# Altium PCB host_board.PcbDoc (part 4 of 7)
Units mm, origin at the board's own origin, x right, y up, seen from the top; angles counter-clockwise.
Board outline 87.1 x 62.94 mm, 4 copper layers (Top Layer, GND, Power, Bottom Layer), stack 1.59 mm thick; 217 components, 247 nets, 1076 pads, 563 vias.
Unrouted connection lines stored in the file: 56.
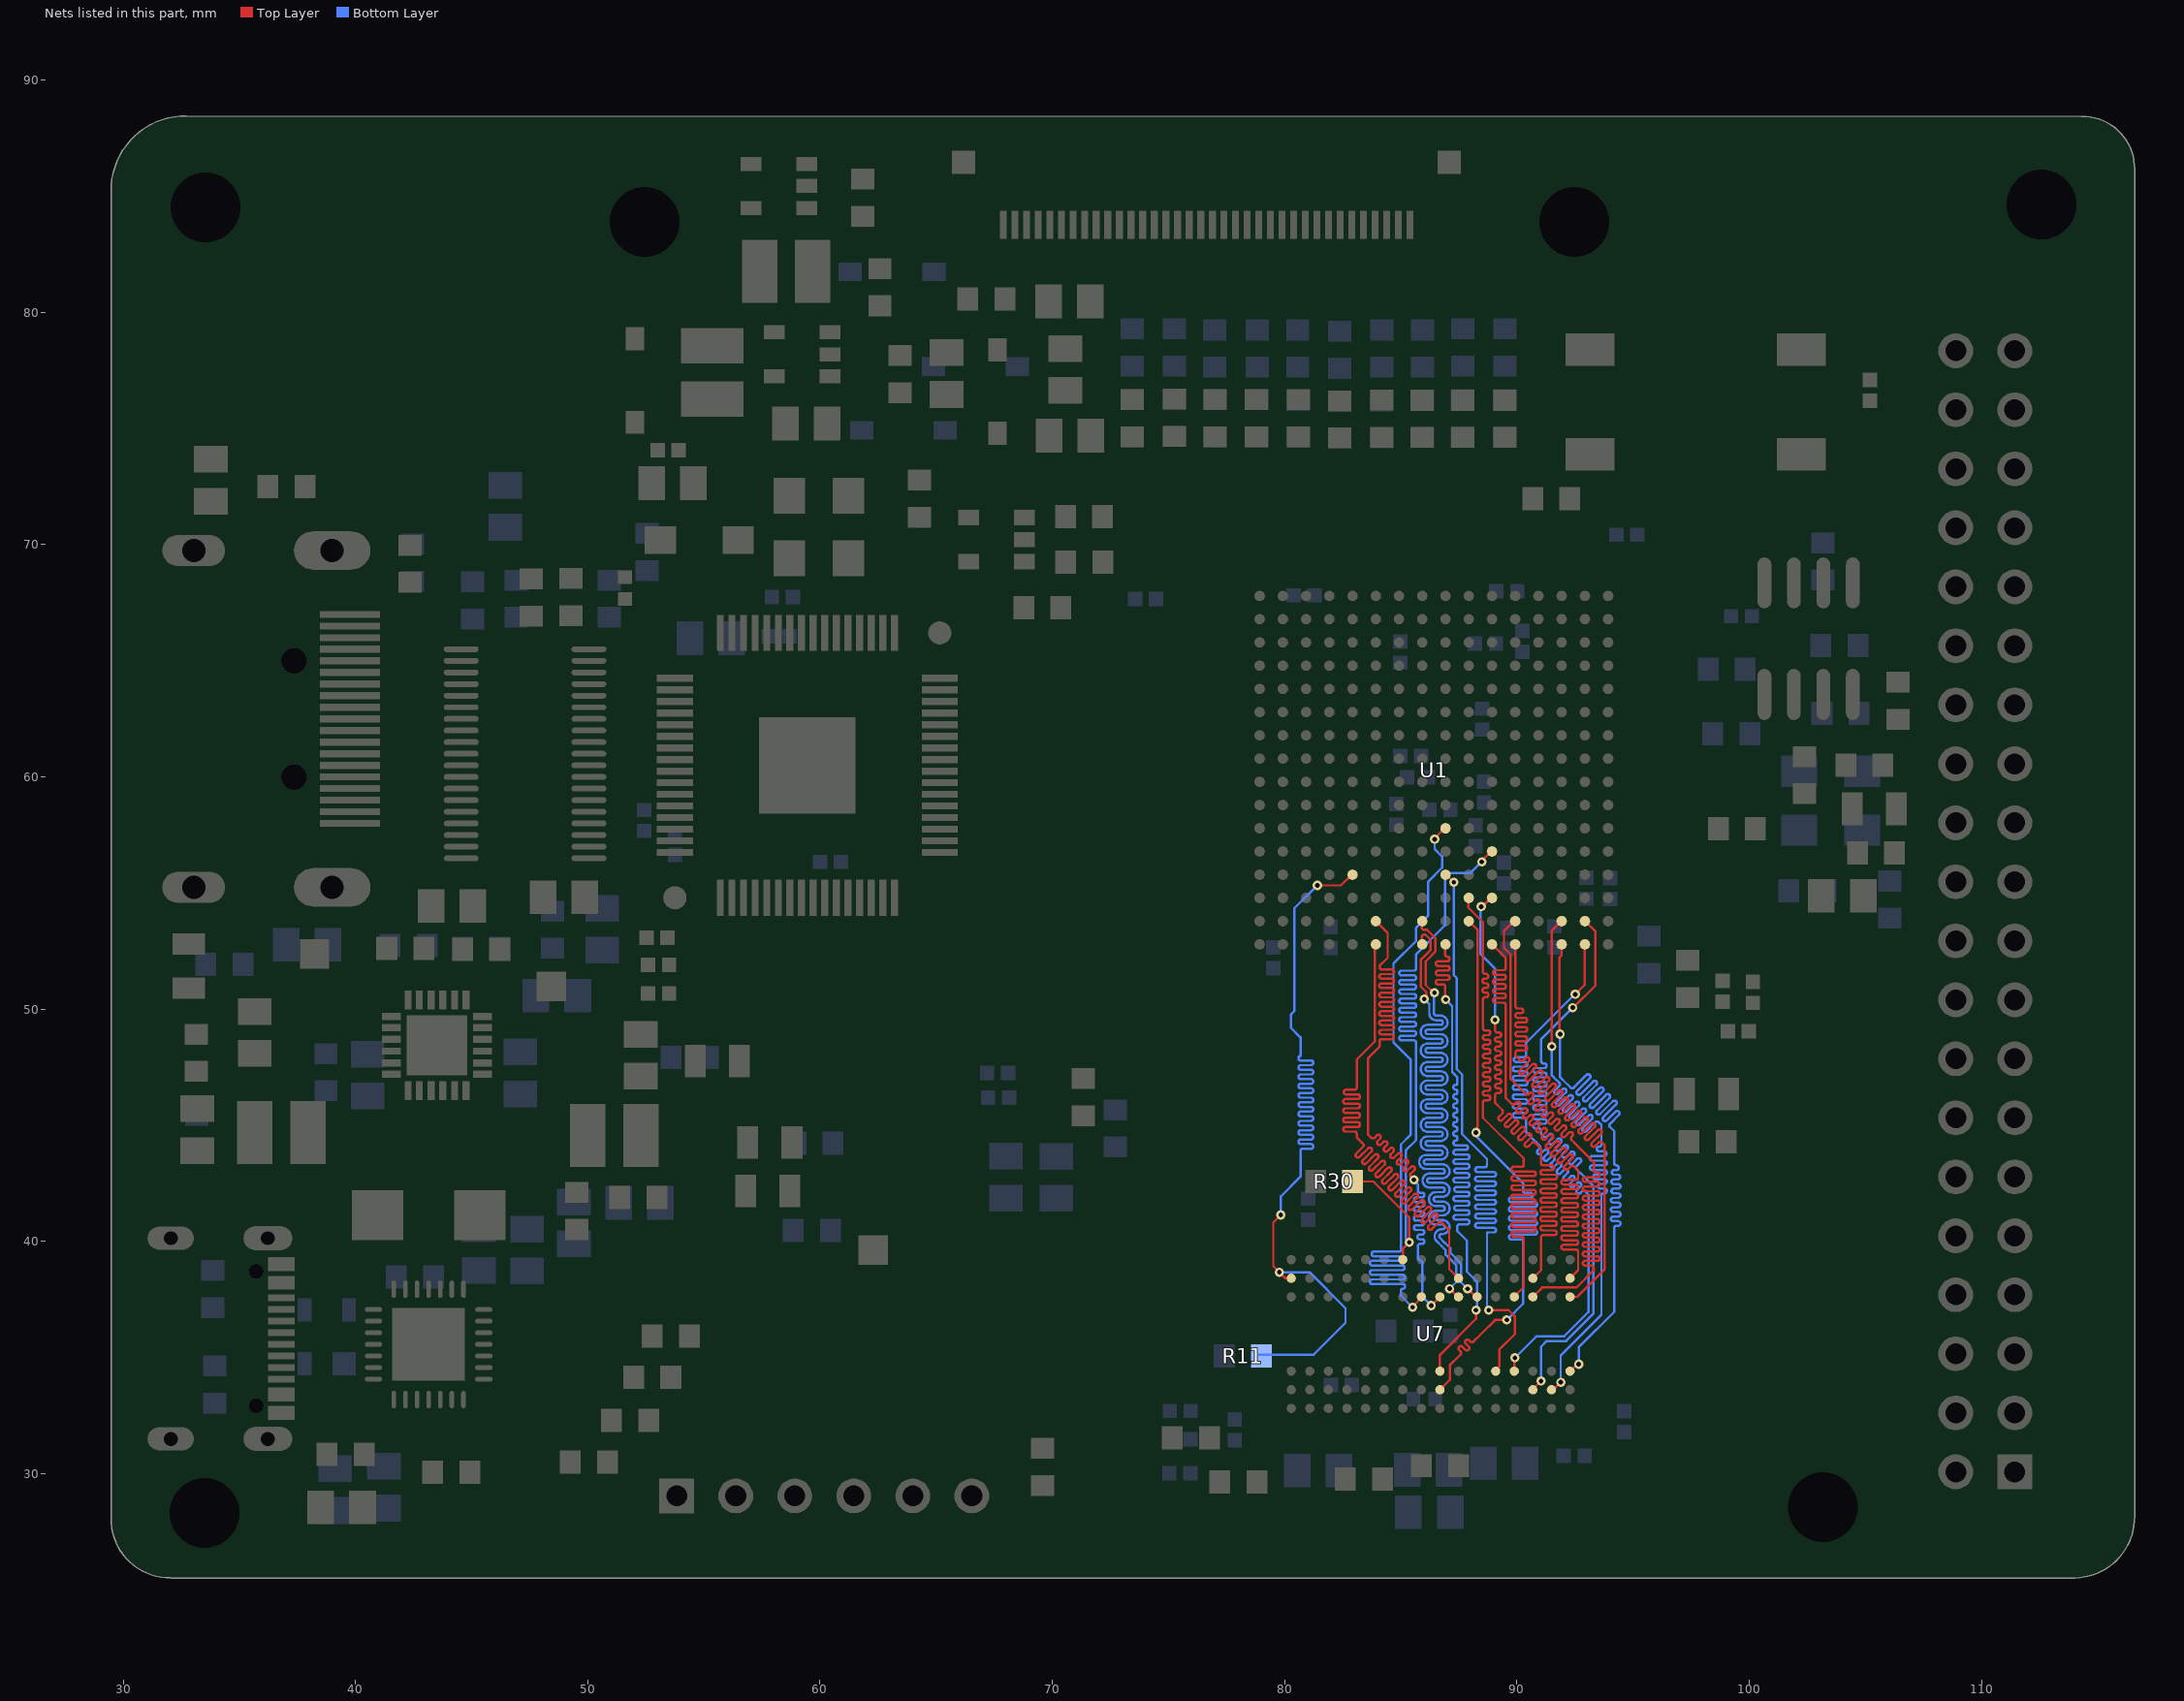
[diagram p6: the nets of this part, all layers, seen from the top]

## Via types
v1: diameter 0.4, hole 0.2, Top Layer to Bottom Layer, tented both sides, 485 vias
v2: diameter 0.4, hole 0.2, Top Layer to Bottom Layer, tented top, 61 vias
v3: diameter 0.5, hole 0.2, Top Layer to Bottom Layer, 9 vias
v4: diameter 0.4, hole 0.2, Top Layer to Bottom Layer, 8 vias

## Nets (pads, with @x,y where several pads share a name; then routed paths per layer and width w, separated by ;. In a path a pad name is that pad's centre, name@x,y a point inside that pad or via, vN(x,y) a via of type N, cw(c..) or ccw(c..) an arc to the next point about the centre after c; other vN are vias at no path point) (continued)
DDR_D4: U1.F2 U7.H3 | length 34.8
  Top Layer w0.1: U1.F2@83.93,53.795 84.43,53.295 84.43,52.215 84.08,51.865 84.08,51.815 ccw(c84.18,51.815) 84.18,51.715 84.605,51.715 cw(c84.605,51.615) 84.605,51.515 84.169,51.515 ccw(c84.169,51.415) 84.169,51.315 84.605,51.315 cw(c84.605,51.215) 84.605,51.115 84.169,51.115 ccw(c84.169,51.015) 84.169,50.915 84.605,50.915 cw(c84.605,50.815) 84.605,50.715 84.169,50.715 ccw(c84.169,50.615) 84.169,50.515 84.605,50.515 cw(c84.605,50.415) 84.605,50.315 84.169,50.315 ccw(c84.169,50.215) 84.169,50.115 84.605,50.115 cw(c84.605,50.015) 84.605,49.915 84.169,49.915 ccw(c84.169,49.815) 84.169,49.715 84.605,49.715 cw(c84.605,49.615) 84.605,49.515 84.169,49.515 ccw(c84.169,49.415) 84.169,49.315 84.605,49.315 cw(c84.605,49.215) 84.605,49.115 84.169,49.115 ccw(c84.169,49.015) 84.169,48.915 84.592,48.915 cw(c84.592,48.815) 84.592,48.715 84.18,48.715 ccw(c84.18,48.615) 84.08,48.615 84.08,48.42 84.08,48.385 83.58,47.885 83.58,45.007 83.58,44.907 83.58,44.707 83.58,44.612 83.651,44.541 83.721,44.471 ccw(c83.792,44.541) 83.863,44.471 83.965,44.573 cw(c84.035,44.502) 84.106,44.573 cw(c84.035,44.502) 84.106,44.431 84.004,44.329 ccw(c84.075,44.259) 84.004,44.188 ccw(c84.075,44.259) 84.146,44.188 84.248,44.29 cw(c84.318,44.219) 84.389,44.29 cw(c84.318,44.219) 84.389,44.148 84.287,44.046 ccw(c84.358,43.976) 84.287,43.905 ccw(c84.358,43.976) 84.429,43.905 84.53,44.007 cw(c84.601,43.936) 84.672,44.007 cw(c84.601,43.936) 84.672,43.865 84.57,43.764 ccw(c84.641,43.693) 84.57,43.622 ccw(c84.641,43.693) 84.711,43.622 84.867,43.778 cw(c84.937,43.707) 85.008,43.778 cw(c84.937,43.707) 85.008,43.636 84.853,43.481 ccw(c84.923,43.41) 84.853,43.339 ccw(c84.923,43.41) 84.994,43.339 85.15,43.495 cw(c85.22,43.424) 85.291,43.495 cw(c85.22,43.424) 85.291,43.353 85.136,43.198 ccw(c85.206,43.127) 85.136,43.057 ccw(c85.206,43.127) 85.277,43.057 85.432,43.212 cw(c85.503,43.141) 85.574,43.212 cw(c85.503,43.141) 85.574,43.07 85.418,42.915 ccw(c85.489,42.844) 85.418,42.774 85.439,42.753 85.532,42.66 v1(85.56,42.66) ; v2(86.305,37.245) U7.H3@86.68,37.62
  Bottom Layer w0.1: v1(85.56,42.66) 85.56,42.632 85.582,42.61 85.73,42.462 85.73,42.25 85.73,42.2 ccw(c85.83,42.2) 85.83,42.1 85.908,42.1 cw(c85.908,42) 85.908,41.9 85.658,41.9 ccw(c85.658,41.8) 85.658,41.7 85.908,41.7 cw(c85.908,41.6) 85.908,41.5 85.658,41.5 ccw(c85.658,41.4) 85.658,41.3 85.908,41.3 cw(c85.908,41.2) 85.908,41.1 85.658,41.1 ccw(c85.658,41) 85.658,40.9 85.908,40.9 cw(c85.908,40.8) 85.908,40.7 85.658,40.7 ccw(c85.658,40.6) 85.658,40.5 85.908,40.5 cw(c85.908,40.4) 85.908,40.3 85.808,40.3 ccw(c85.808,40.2) 85.808,40.1 85.908,40.1 cw(c85.908,40) 85.908,39.9 85.83,39.9 ccw(c85.83,39.8) 85.73,39.8 85.73,39.575 85.73,39.295 85.93,39.095 85.93,37.62 v2(86.305,37.245)
DDR_D5: U1.K2 U7.H8 | length 34.8
  Top Layer w0.1: U7.H8@86.68,33.62 87.105,34.045 87.105,34.675 87.527,35.097 87.562,35.132 ccw(c87.491,35.203) 87.562,35.274 87.506,35.329 cw(c87.577,35.4) 87.506,35.471 cw(c87.577,35.4) 87.648,35.471 87.775,35.344 ccw(c87.845,35.415) 87.916,35.344 ccw(c87.845,35.415) 87.916,35.486 87.789,35.612 cw(c87.86,35.683) 87.789,35.754 cw(c87.86,35.683) 87.931,35.754 87.986,35.698 ccw(c88.057,35.769) 88.128,35.698 88.425,35.995 88.455,36.025 89.056,36.626 v2(89.56,36.626) ; U1.K2@87.905,53.82 88.305,53.42 88.305,44.851 88.23,44.776 v1(88.23,44.695)
  Bottom Layer w0.1: v1(88.23,44.695) 88.23,44.545 90.255,42.52 90.255,42.22 90.255,42.195 ccw(c90.355,42.195) 90.355,42.095 90.578,42.095 cw(c90.578,41.995) 90.678,41.995 cw(c90.578,41.995) 90.578,41.895 90.255,41.895 89.748,41.895 ccw(c89.748,41.795) 89.648,41.795 ccw(c89.748,41.795) 89.748,41.695 90.255,41.695 90.762,41.695 cw(c90.762,41.595) 90.862,41.595 cw(c90.762,41.595) 90.762,41.495 90.255,41.495 89.748,41.495 ccw(c89.748,41.395) 89.648,41.395 ccw(c89.748,41.395) 89.748,41.295 90.255,41.295 90.762,41.295 cw(c90.762,41.195) 90.862,41.195 cw(c90.762,41.195) 90.762,41.095 90.255,41.095 89.748,41.095 ccw(c89.748,40.995) 89.648,40.995 ccw(c89.748,40.995) 89.748,40.895 90.255,40.895 90.762,40.895 cw(c90.762,40.795) 90.862,40.795 cw(c90.762,40.795) 90.762,40.695 90.255,40.695 89.748,40.695 ccw(c89.748,40.595) 89.648,40.595 ccw(c89.748,40.595) 89.748,40.495 90.255,40.495 90.762,40.495 cw(c90.762,40.395) 90.862,40.395 cw(c90.762,40.395) 90.762,40.295 90.255,40.295 89.748,40.295 ccw(c89.748,40.195) 89.648,40.195 ccw(c89.748,40.195) 89.748,40.095 90.155,40.095 cw(c90.155,39.995) 90.255,39.995 90.255,37.321 v2(89.56,36.626)
DDR_D6: U1.F1 U7.G2 | length 37.6
  Top Layer w0.1: U1.F1@83.92,52.793 83.869,52.742 83.869,48.602 83.1,47.833 83.1,46.85 83.1,46.636 cw(c83,46.636) 83,46.536 82.637,46.536 ccw(c82.637,46.436) 82.637,46.336 83.142,46.336 cw(c83.142,46.236) 83.142,46.136 82.618,46.136 ccw(c82.618,46.036) 82.618,45.936 83.142,45.936 cw(c83.142,45.836) 83.142,45.736 82.618,45.736 ccw(c82.618,45.636) 82.618,45.536 83.142,45.536 cw(c83.142,45.436) 83.142,45.336 82.618,45.336 ccw(c82.618,45.236) 82.618,45.136 83.142,45.136 cw(c83.142,45.036) 83.142,44.936 82.618,44.936 ccw(c82.618,44.836) 82.618,44.736 83,44.736 cw(c83,44.636) 83.1,44.636 83.1,44.586 83.1,44.543 83.1,44.487 83.368,44.219 cw(c83.297,44.148) 83.368,44.078 83.079,43.788 ccw(c83.149,43.718) 83.079,43.647 ccw(c83.149,43.718) 83.22,43.647 83.588,44.015 cw(c83.659,43.945) 83.73,44.015 cw(c83.659,43.945) 83.73,43.874 83.362,43.506 ccw(c83.432,43.435) 83.362,43.364 ccw(c83.432,43.435) 83.503,43.364 83.871,43.732 cw(c83.942,43.662) 84.013,43.732 cw(c83.942,43.662) 84.013,43.591 83.644,43.223 ccw(c83.715,43.152) 83.644,43.081 ccw(c83.715,43.152) 83.786,43.081 84.154,43.45 cw(c84.225,43.379) 84.296,43.45 cw(c84.225,43.379) 84.296,43.308 83.927,42.94 ccw(c83.998,42.869) 83.927,42.798 ccw(c83.998,42.869) 84.069,42.798 84.437,43.167 cw(c84.508,43.096) 84.578,43.167 cw(c84.508,43.096) 84.578,43.025 84.21,42.657 ccw(c84.281,42.586) 84.21,42.516 ccw(c84.281,42.586) 84.352,42.516 84.72,42.884 cw(c84.791,42.813) 84.861,42.884 cw(c84.791,42.813) 84.861,42.742 84.493,42.374 ccw(c84.564,42.303) 84.493,42.233 ccw(c84.564,42.303) 84.634,42.233 85.003,42.601 cw(c85.073,42.53) 85.144,42.601 cw(c85.073,42.53) 85.144,42.46 84.776,42.091 ccw(c84.847,42.021) 84.776,41.95 ccw(c84.847,42.021) 84.917,41.95 85.275,42.308 cw(c85.346,42.237) 85.417,42.308 cw(c85.346,42.237) 85.417,42.167 85.059,41.809 ccw(c85.129,41.738) 85.059,41.667 ccw(c85.129,41.738) 85.2,41.667 85.568,42.035 cw(c85.639,41.965) 85.71,42.035 cw(c85.639,41.965) 85.71,41.894 85.341,41.526 ccw(c85.412,41.455) 85.341,41.384 ccw(c85.412,41.455) 85.483,41.384 85.851,41.753 cw(c85.922,41.682) 85.993,41.753 cw(c85.922,41.682) 85.993,41.611 85.624,41.243 ccw(c85.695,41.172) 85.624,41.101 ccw(c85.695,41.172) 85.766,41.101 86.134,41.47 cw(c86.205,41.399) 86.275,41.47 cw(c86.205,41.399) 86.275,41.328 85.907,40.96 ccw(c85.978,40.889) 85.907,40.819 ccw(c85.978,40.889) 86.049,40.819 86.417,41.187 cw(c86.488,41.116) 86.558,41.187 cw(c86.488,41.116) 86.558,41.045 86.19,40.677 ccw(c86.261,40.606) 86.19,40.536 ccw(c86.261,40.606) 86.331,40.536 ; 86.331,40.536 86.621,40.825 cw(c86.691,40.754) 86.762,40.825 86.797,40.79 87.081,40.506 87.081,38.819 U7.G2@87.48,38.42
DDR_D7: U1.J1 U7.H7 | length 34.3
  Top Layer w0.1: U7.H7@86.68,34.42 86.68,35.12 88.233,36.673 v2(88.233,37.045) ; v1@86.905,50.395 86.905,50.995 ccw(c86.835,50.995) 86.835,51.065 86.598,51.065 cw(c86.598,51.165) 86.498,51.165 cw(c86.598,51.165) 86.598,51.265 86.905,51.265 86.996,51.265 ccw(c86.996,51.365) 87.096,51.365 ccw(c86.996,51.365) 86.996,51.465 86.905,51.465 86.598,51.465 cw(c86.598,51.565) 86.498,51.565 cw(c86.598,51.565) 86.598,51.665 86.905,51.665 86.996,51.665 ccw(c86.996,51.765) 87.096,51.765 ccw(c86.996,51.765) 86.996,51.865 86.905,51.865 86.598,51.865 cw(c86.598,51.965) 86.498,51.965 cw(c86.598,51.965) 86.598,52.065 86.905,52.065 86.996,52.065 ccw(c86.996,52.165) 87.096,52.165 ccw(c86.996,52.165) 86.996,52.265 cw(c86.996,52.356) 86.905,52.356 86.905,52.365 U1.J1@86.905,52.82
  Bottom Layer w0.1: v1(86.93,50.42) 87.205,50.145 87.205,47.295 87.43,47.07 87.43,46.795 cw(c87.38,46.795) 87.38,46.745 87.355,46.745 ccw(c87.355,46.645) 87.255,46.645 ccw(c87.355,46.645) 87.355,46.545 cw(c87.355,46.47) 87.43,46.47 87.43,46.42 cw(c87.355,46.42) 87.355,46.345 ccw(c87.355,46.245) 87.255,46.245 ccw(c87.355,46.245) 87.355,46.145 cw(c87.355,46.07) 87.43,46.07 87.43,46.02 cw(c87.355,46.02) 87.355,45.945 ccw(c87.355,45.845) 87.255,45.845 ccw(c87.355,45.845) 87.355,45.745 cw(c87.355,45.67) 87.43,45.67 87.43,45.62 cw(c87.355,45.62) 87.355,45.545 ccw(c87.355,45.445) 87.255,45.445 ccw(c87.355,45.445) 87.355,45.345 cw(c87.355,45.27) 87.43,45.27 87.43,45.22 cw(c87.355,45.22) 87.355,45.145 ccw(c87.355,45.045) 87.255,45.045 ccw(c87.355,45.045) 87.355,44.945 cw(c87.355,44.87) 87.43,44.87 87.43,44.82 cw(c87.355,44.82) 87.355,44.745 ccw(c87.355,44.645) 87.255,44.645 ccw(c87.355,44.645) 87.355,44.545 cw(c87.355,44.47) 87.43,44.47 87.43,44.42 cw(c87.355,44.42) 87.355,44.345 ; 87.357,44.345 87.361,44.345 ; 87.363,44.345 ccw(c87.363,44.245) 87.263,44.245 ccw(c87.363,44.245) 87.363,44.145 87.43,44.145 87.785,44.145 cw(c87.785,44.045) 87.885,44.045 cw(c87.785,44.045) 87.785,43.945 87.43,43.945 87.363,43.945 ccw(c87.363,43.845) 87.263,43.845 ccw(c87.363,43.845) 87.363,43.745 87.43,43.745 87.852,43.745 cw(c87.852,43.645) 87.952,43.645 cw(c87.852,43.645) 87.852,43.545 87.43,43.545 87.363,43.545 ccw(c87.363,43.445) 87.263,43.445 ccw(c87.363,43.445) 87.363,43.345 87.43,43.345 87.852,43.345 cw(c87.852,43.245) 87.952,43.245 cw(c87.852,43.245) 87.852,43.145 87.43,43.145 87.399,43.145 ccw(c87.399,43.045) 87.299,43.045 ccw(c87.399,43.045) 87.399,42.945 87.43,42.945 87.852,42.945 cw(c87.852,42.845) 87.952,42.845 cw(c87.852,42.845) 87.852,42.745 87.43,42.745 87.363,42.745 ccw(c87.363,42.645) 87.263,42.645 ccw(c87.363,42.645) 87.363,42.545 87.43,42.545 87.852,42.545 cw(c87.852,42.445) 87.952,42.445 cw(c87.852,42.445) 87.852,42.345 87.43,42.345 87.399,42.345 ccw(c87.399,42.245) 87.299,42.245 ccw(c87.399,42.245) 87.399,42.145 87.43,42.145 87.852,42.145 cw(c87.852,42.045) 87.952,42.045 cw(c87.852,42.045) 87.852,41.945 87.43,41.945 87.363,41.945 ccw(c87.363,41.845) 87.263,41.845 ccw(c87.363,41.845) 87.363,41.745 87.43,41.745 87.852,41.745 cw(c87.852,41.645) 87.952,41.645 cw(c87.852,41.645) 87.852,41.545 87.43,41.545 87.399,41.545 ccw(c87.399,41.445) 87.299,41.445 ccw(c87.399,41.445) 87.399,41.345 87.43,41.345 87.852,41.345 cw(c87.852,41.245) 87.952,41.245 cw(c87.852,41.245) 87.852,41.145 87.43,41.145 87.363,41.145 ccw(c87.363,41.045) 87.263,41.045 ccw(c87.363,41.045) 87.363,40.945 87.43,40.945 87.852,40.945 cw(c87.852,40.845) 87.952,40.845 cw(c87.852,40.845) 87.852,40.745 87.53,40.745 ccw(c87.53,40.645) 87.43,40.645 87.43,40.545 87.43,40.445 87.839,40.036 87.839,38.711 88.28,38.27 88.28,37.092 v2(88.233,37.045)
DDR_D8: U1.R1 U7.D7 | length 34.2
  Top Layer w0.1: U7.D7@89.88,34.42 v2@89.88,34.972 ; v1(92.505,50.645) 92.905,51.045 92.905,52.778 U1.R1@92.92,52.793
  Bottom Layer w0.1: v2(89.905,34.997) 90.828,35.92 92.029,35.92 93.08,36.971 93.08,42.02 93.026,42.074 93.01,42.09 92.939,42.161 ccw(c92.868,42.09) 92.797,42.161 92.728,42.092 cw(c92.657,42.162) 92.586,42.092 cw(c92.657,42.162) 92.586,42.233 92.727,42.373 92.732,42.378 ccw(c92.661,42.449) 92.732,42.52 ccw(c92.661,42.449) 92.59,42.52 92.585,42.515 92.445,42.374 cw(c92.374,42.445) 92.303,42.374 cw(c92.374,42.445) 92.303,42.516 92.444,42.656 92.449,42.661 ccw(c92.378,42.732) 92.449,42.803 ccw(c92.378,42.732) 92.308,42.803 92.302,42.798 92.162,42.657 cw(c92.091,42.728) 92.021,42.657 cw(c92.091,42.728) 92.021,42.799 92.161,42.939 92.166,42.944 ccw(c92.095,43.015) 92.166,43.086 ccw(c92.095,43.015) 92.025,43.086 92.02,43.08 91.879,42.94 cw(c91.809,43.011) 91.738,42.94 cw(c91.809,43.011) 91.738,43.081 91.878,43.222 91.883,43.227 ccw(c91.813,43.298) 91.883,43.368 ccw(c91.813,43.298) 91.742,43.368 91.737,43.363 91.596,43.223 cw(c91.526,43.294) 91.455,43.223 cw(c91.526,43.294) 91.455,43.364 91.595,43.505 91.6,43.51 ccw(c91.53,43.58) 91.6,43.651 ccw(c91.53,43.58) 91.459,43.651 91.454,43.646 91.314,43.506 cw(c91.243,43.576) 91.172,43.506 cw(c91.243,43.576) 91.172,43.647 91.312,43.788 91.318,43.793 ccw(c91.247,43.863) 91.318,43.934 ccw(c91.247,43.863) 91.176,43.934 91.171,43.929 91.031,43.789 cw(c90.96,43.859) 90.889,43.789 cw(c90.96,43.859) 90.889,43.93 90.959,44 ccw(c90.888,44.07) 90.959,44.141 90.888,44.212 90.817,44.283 90.39,44.71 90.39,45.182 90.39,45.232 ccw(c90.29,45.232) 90.29,45.332 89.915,45.332 cw(c89.915,45.432) 89.915,45.532 90.346,45.532 ccw(c90.346,45.632) 90.346,45.732 89.915,45.732 cw(c89.915,45.832) 89.915,45.932 90.346,45.932 ccw(c90.346,46.032) 90.346,46.132 89.915,46.132 cw(c89.915,46.232) 89.915,46.332 90.346,46.332 ccw(c90.346,46.432) 90.346,46.532 89.915,46.532 cw(c89.915,46.632) 89.915,46.732 90.346,46.732 ccw(c90.346,46.832) 90.346,46.932 89.915,46.932 cw(c89.915,47.032) 89.915,47.132 90.346,47.132 ccw(c90.346,47.232) 90.346,47.332 89.915,47.332 cw(c89.915,47.432) 89.915,47.532 90.346,47.532 ccw(c90.346,47.632) 90.346,47.732 89.963,47.732 cw(c89.963,47.832) 89.963,47.932 90.29,47.932 ccw(c90.29,48.032) 90.39,48.032 90.39,48.561 90.432,48.603 92.474,50.645 v1(92.505,50.645)
DDR_D9: U1.M2 U7.C3 | length 37.2
  Top Layer w0.1: U1.M2@89.92,53.793 89.858,53.793 89.435,53.37 89.435,52.645 89.723,52.357 89.723,49.663 89.72,49.66 89.72,47.004 89.998,46.726 90.368,46.356 ccw(c90.439,46.427) 90.509,46.356 90.537,46.384 cw(c90.608,46.313) 90.679,46.384 cw(c90.608,46.313) 90.679,46.243 90.518,46.082 ccw(c90.589,46.012) 90.518,45.941 ccw(c90.589,46.012) 90.66,45.941 90.82,46.101 cw(c90.891,46.03) 90.961,46.101 cw(c90.891,46.03) 90.961,45.96 90.801,45.8 ccw(c90.872,45.729) 90.801,45.658 ccw(c90.872,45.729) 90.943,45.658 91.103,45.818 cw(c91.174,45.748) 91.244,45.818 cw(c91.174,45.748) 91.244,45.677 91.084,45.517 ccw(c91.155,45.446) 91.084,45.375 ccw(c91.155,45.446) 91.226,45.375 91.386,45.535 cw(c91.456,45.465) 91.527,45.535 cw(c91.456,45.465) 91.527,45.394 91.367,45.234 ccw(c91.438,45.163) 91.367,45.092 ccw(c91.438,45.163) 91.508,45.092 91.669,45.253 cw(c91.739,45.182) 91.81,45.253 cw(c91.739,45.182) 91.81,45.111 91.65,44.951 ccw(c91.72,44.88) 91.65,44.81 ccw(c91.72,44.88) 91.791,44.81 91.951,44.97 cw(c92.022,44.899) 92.093,44.97 cw(c92.022,44.899) 92.093,44.828 91.933,44.668 ccw(c92.003,44.597) 91.933,44.527 ccw(c92.003,44.597) 92.074,44.527 92.234,44.687 cw(c92.305,44.616) 92.376,44.687 cw(c92.305,44.616) 92.376,44.546 92.348,44.518 ccw(c92.419,44.447) 92.348,44.376 92.525,44.2 93.299,43.425 93.299,43.223 93.299,43.07 ccw(c93.399,43.07) 93.399,42.97 93.462,42.97 cw(c93.462,42.87) 93.462,42.77 92.93,42.77 ccw(c92.93,42.67) 92.93,42.57 93.462,42.57 cw(c93.462,42.47) 93.462,42.37 92.929,42.37 ccw(c92.929,42.27) 92.929,42.17 93.462,42.17 cw(c93.462,42.07) 93.462,41.97 92.93,41.97 ccw(c92.93,41.87) 92.93,41.77 93.462,41.77 cw(c93.462,41.67) 93.462,41.57 92.93,41.57 ccw(c92.93,41.47) 92.93,41.37 93.462,41.37 cw(c93.462,41.27) 93.462,41.17 92.93,41.17 ccw(c92.93,41.07) 92.93,40.97 93.462,40.97 cw(c93.462,40.87) 93.462,40.77 92.93,40.77 ccw(c92.93,40.67) 92.93,40.57 93.462,40.57 cw(c93.462,40.47) 93.462,40.37 92.93,40.37 ccw(c92.93,40.27) 92.93,40.17 93.462,40.17 cw(c93.462,40.07) 93.462,39.97 92.93,39.97 ccw(c92.93,39.87) 92.93,39.77 93.462,39.77 cw(c93.462,39.67) 93.462,39.57 92.93,39.57 ccw(c92.93,39.47) 92.93,39.37 93.462,39.37 cw(c93.462,39.27) 93.462,39.17 92.93,39.17 ccw(c92.93,39.07) 92.93,38.97 93.199,38.97 cw(c93.199,38.87) 93.299,38.87 93.299,38.82 93.299,38.764 92.555,38.02 91.08,38.02 U7.C3@90.68,37.62
DDR_D10: U1.R2 U7.C8 | length 34.3
  Top Layer w0.1: U7.C8@90.68,33.62 90.68,33.645 v2(91.03,33.995) ; v1(92.394,50.07) 92.425,50.07 93.378,51.023 93.378,53.348 92.932,53.793 U1.R2@92.92,53.793
  Bottom Layer w0.1: v2(91.03,33.995) 91.03,35.47 91.28,35.72 92.111,35.72 93.28,36.889 93.28,42.395 93.192,42.483 92.741,42.934 92.705,42.97 92.564,43.111 cw(c92.635,43.182) 92.564,43.253 92.73,43.418 ccw(c92.659,43.489) 92.73,43.56 ccw(c92.659,43.489) 92.588,43.56 92.388,43.36 cw(c92.318,43.431) 92.247,43.36 cw(c92.318,43.431) 92.247,43.501 92.447,43.701 ccw(c92.376,43.772) 92.447,43.843 ccw(c92.376,43.772) 92.305,43.843 92.106,43.643 cw(c92.035,43.713) 91.964,43.643 cw(c92.035,43.713) 91.964,43.784 92.164,43.984 ccw(c92.093,44.055) 92.164,44.125 ccw(c92.093,44.055) 92.023,44.125 91.823,43.925 cw(c91.752,43.996) 91.681,43.925 cw(c91.752,43.996) 91.681,44.067 91.881,44.267 ccw(c91.81,44.338) 91.881,44.408 ccw(c91.81,44.338) 91.74,44.408 91.54,44.208 cw(c91.469,44.279) 91.398,44.208 cw(c91.469,44.279) 91.398,44.35 91.514,44.466 ccw(c91.444,44.536) 91.514,44.607 ccw(c91.444,44.536) 91.373,44.607 91.291,44.525 cw(c91.22,44.596) 91.15,44.525 91.11,44.565 91.039,44.636 91.039,44.683 91.039,44.72 91.039,44.77 ccw(c90.939,44.77) 90.939,44.87 90.798,44.87 cw(c90.798,44.97) 90.798,45.07 91.175,45.07 ccw(c91.175,45.17) 91.175,45.27 90.798,45.27 cw(c90.798,45.37) 90.798,45.47 91.175,45.47 ccw(c91.175,45.57) 91.175,45.67 90.798,45.67 cw(c90.798,45.77) 90.798,45.87 91.175,45.87 ccw(c91.175,45.97) 91.175,46.07 90.798,46.07 cw(c90.798,46.17) 90.798,46.27 91.175,46.27 ccw(c91.175,46.37) 91.175,46.47 90.798,46.47 cw(c90.798,46.57) 90.798,46.67 91.175,46.67 ccw(c91.175,46.77) 91.175,46.87 90.798,46.87 cw(c90.798,46.97) 90.798,47.07 91.175,47.07 ccw(c91.175,47.17) 91.175,47.27 90.798,47.27 cw(c90.798,47.37) 90.798,47.47 91.175,47.47 ccw(c91.175,47.57) 91.175,47.67 91.139,47.67 cw(c91.139,47.77) 91.039,47.77 91.039,48.07 91.039,48.715 v1(92.394,50.07)